# Altium PCB Tra_doantotnghiep.PcbDoc
Units mm, origin at the board's own origin, x right, y up, seen from the top; angles counter-clockwise.
Board outline 91.44 x 60.07 mm, 2 copper layers (Top Layer, Bottom Layer); 17 components, 17 nets, 105 pads, 8 vias.
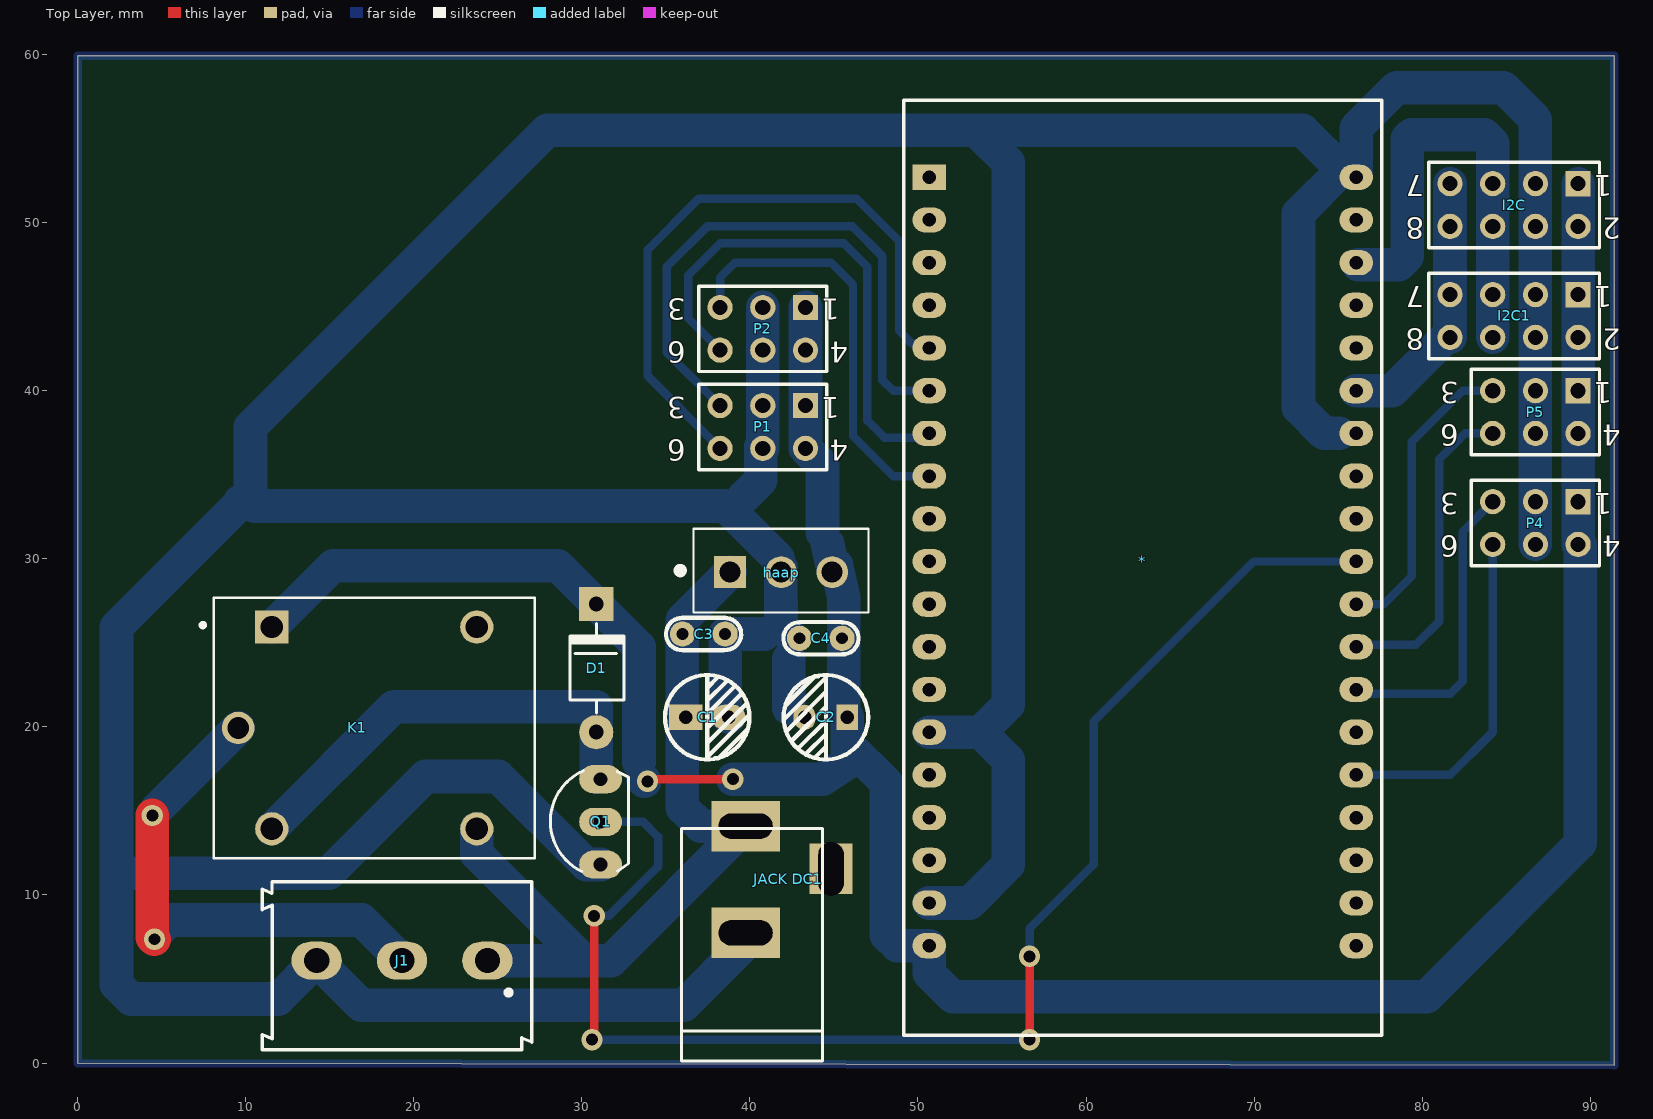
[diagram p0: Top Layer view]
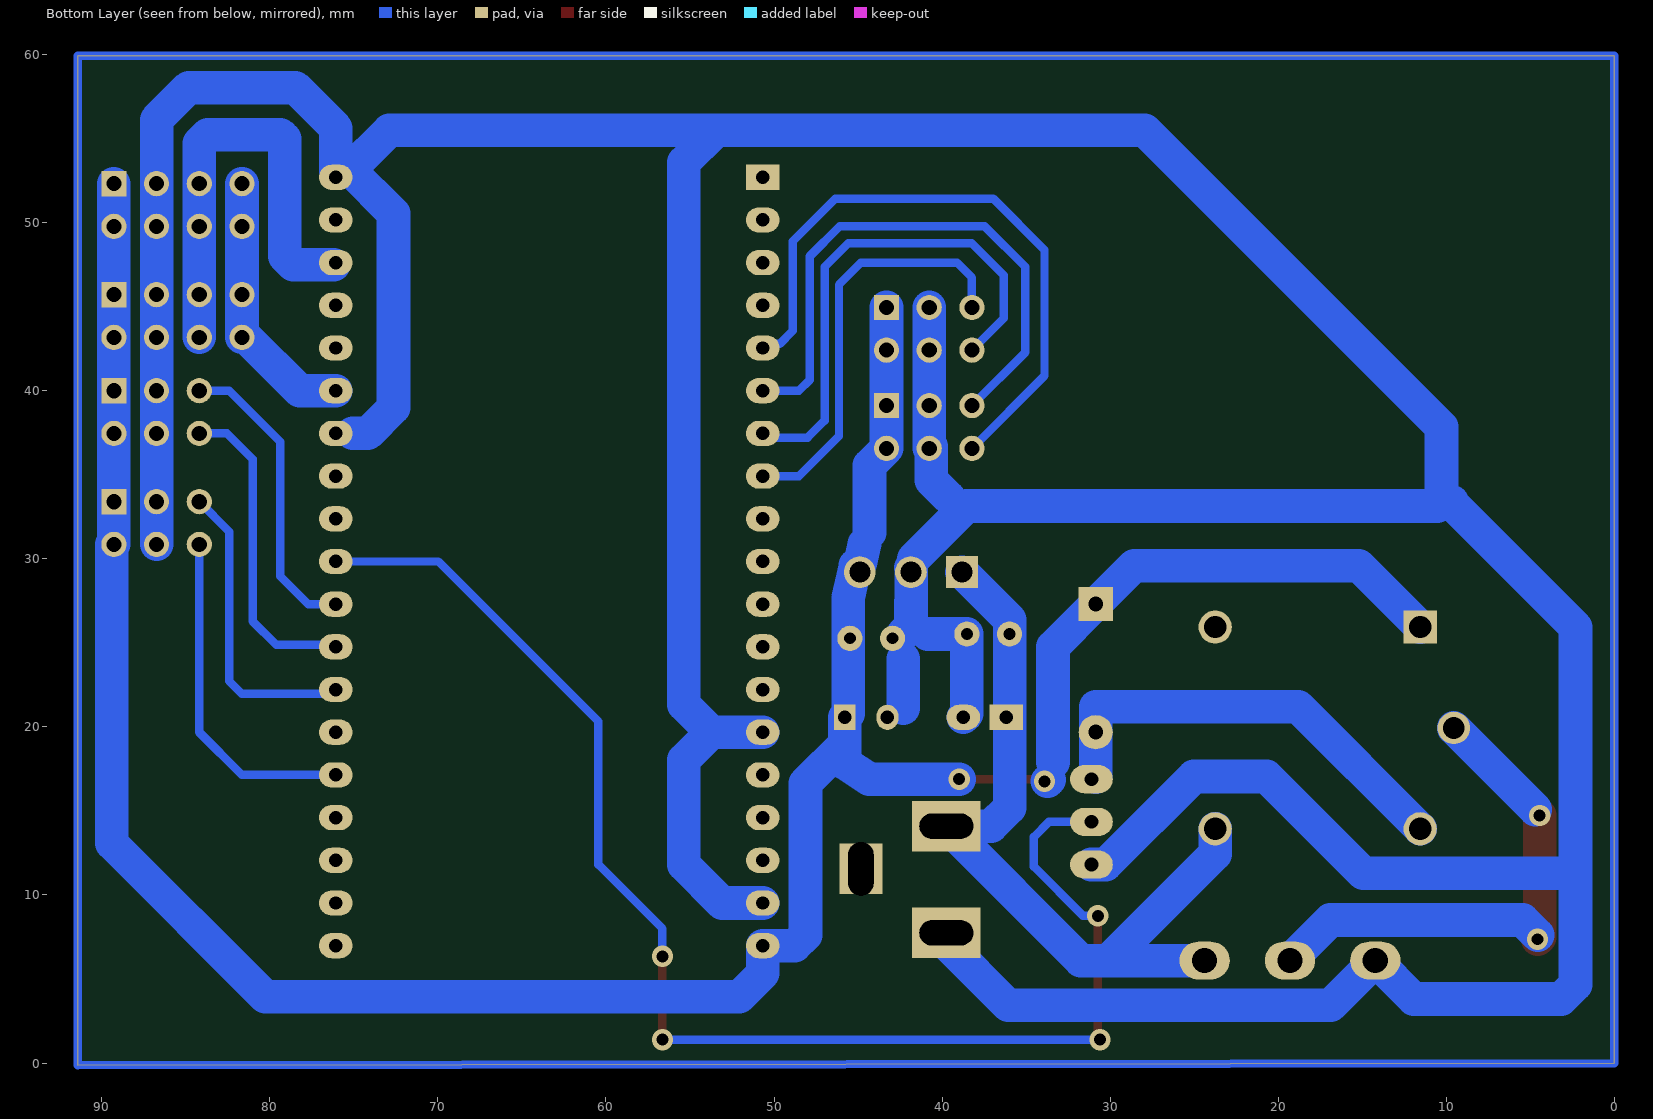
[diagram p1: Bottom Layer view, seen from below]
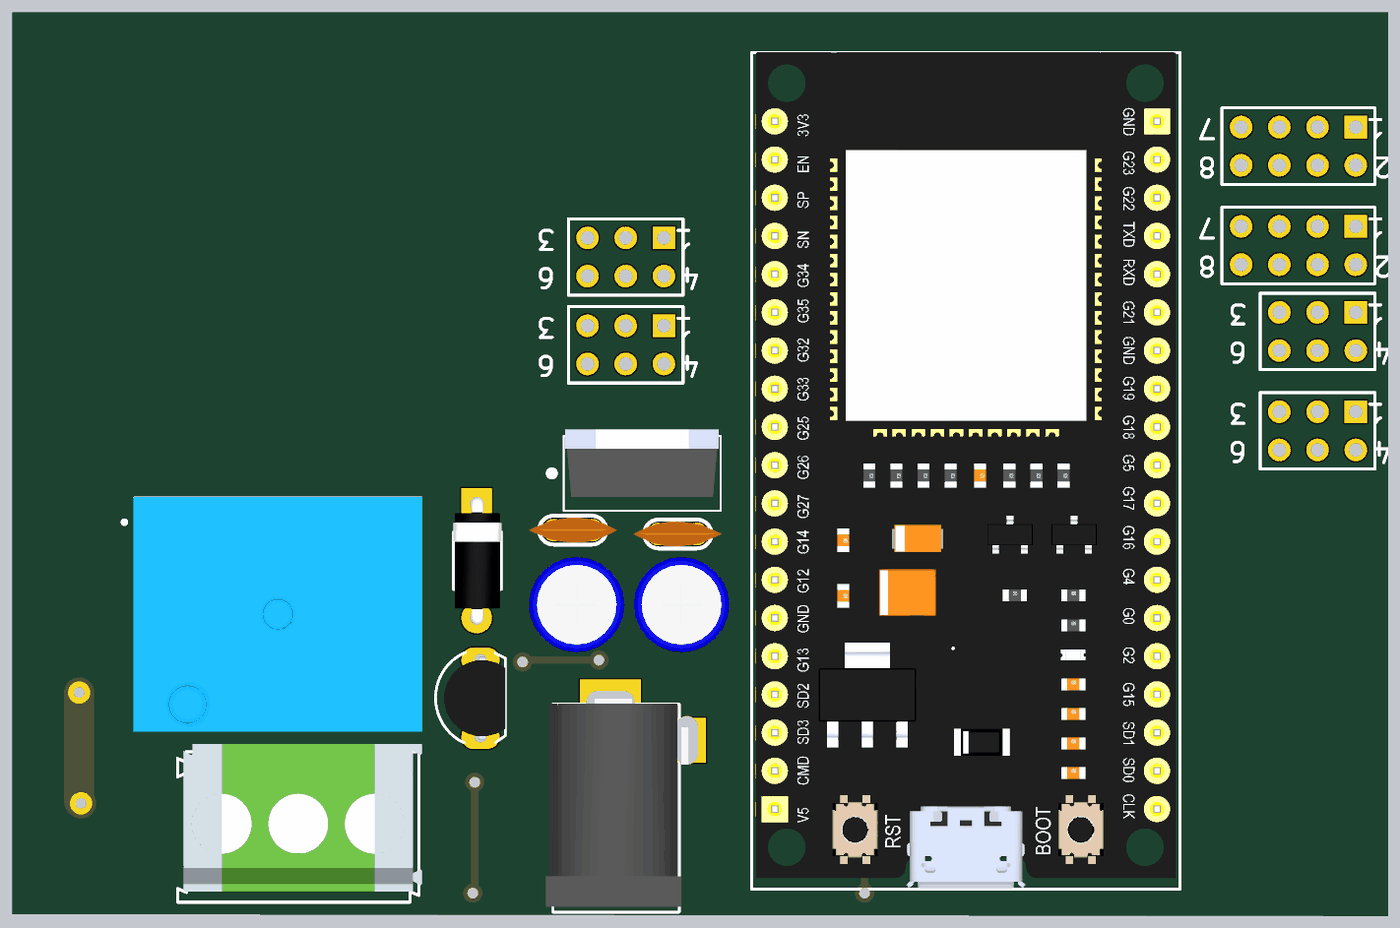
[diagram p2: 3D render of the assembled board from above, using the file's embedded part models]

## Layer stack, top to bottom
Top Solder: solder mask 0.0102, Solder Resist, Dk 3.5
Top Layer: signal copper 0.0356
Dielectric 1: dielectric 0.32, FR-4, Dk 4.8
Bottom Layer: signal copper 0.0356
Bottom Solder: solder mask 0.0102, Solder Resist, Dk 3.5

## Board outline
0,0 0,59.944 91.44,59.944 91.44,-0.127

## Design rules (kind name [scope] priority, off if disabled: settings)
Clearance [All] p1: gap=0.254
PolygonConnect [All] p1: connectstyle=Relief reliefconductorwidth=0.254 reliefentries=4 polygonreliefangle="90 Angle" airgapwidth=0.254
RoutingVias [All] p1: holewidth=0.711 width=1.27 viastyle="Through Hole" minholewidth=0.711 minwidth=1.27 maxholewidth=0.711 maxwidth=1.27
SolderMaskExpansion [All] p1: expansion=0.102
Width [All] p1: maxlimit=3 minlimit=0.254 preferedwidth=2 minimp=50.000000 maximp=50.000000 favimp=50.000000
30 further rules are at their usual default settings.

## Components (designator, comment, footprint, x,y, rotation, side; value= is the part's Value field where it differs from the comment)
* "ESP32 DEV KIT" "ESP32 DEVKIT" 50.673,52.705 r0 top
C1 "47uF" "tu hoa 5mm"#1 37.465,20.574 r0 top
C2 "22u" "tu hoa 5mm"#2 44.524,20.574 r180 top
C3 "104" "tu gom" 37.258,25.527 r0 top
C4 "102" "tu gom" 44.218,25.273 r180 top
D1 "100v" "DIODE 1A" 30.861,18.415 r270 top
haap "7805CV" TO-220-3 41.855,29.305 r0 top
I2C "Header 4X2" HDR2X4 89.281,52.324 r180 top
I2C1 "Header 4X2" HDR2X4 89.281,45.72 r180 top
J1 "691216510003S" 691216510003S 19.304,6.096 r180 top
"JACK DC1" "JACK DC 5.5" "JACK DC 5.5" 42.291,10.922 r90 top
K1 "SRD-05VDC-SL-C" RELAY_SRD-05VDC-SL-C 17.653,19.939 r0 top
P1 "Header 3X2A" HDR2X3_CEN 43.307,39.116 r180 top
P2 "Header 3X2A" HDR2X3_CEN 43.307,44.958 r180 top
P4 "Header 3X2A" HDR2X3_CEN 89.281,33.401 r180 top
P5 "Header 3X2A" HDR2X3_CEN 89.281,40.005 r180 top
Q1 "2N22" TO92 31.115,14.351 r90 top

## Footprints (in the part's own frame and the unit in brackets; to place one, negate y for a bottom-side part, rotate by r counter-clockwise, add the part's x,y. Pads: shape width x height; smd on the part's side, far side on the other; paste and mask are expansions set on the pad)
691216510003S [mm]
  oval 3x2.25 hole 1.5: 1(-5.08,0) 2(0,0) 3(5.08,0)
  silkscreen extent -7.72,-4.7 8.32,5.3, body extent -7.92,-5.21 7.92,4.59, height 13.8
"DIODE 1A" [mil] "Diode 1A"
  round 80 hole 35: 1(-50,0)
  rect 80x80 hole 35: 2(-350,0)
  silkscreen extent -305,-61 -95,65, body extent -366,-61 -34,65, height 122
"ESP32 DEVKIT" [mm]
  rect 2x1.5 hole 0.8: 1(0,0)
  oval 2x1.5 hole 0.8: 2(0,-2.54) 3(0,-5.08) 4(0,-7.62) 5(0,-10.16) 6(0,-12.7) 7(0,-15.24) 8(0,-17.78) 9(0,-20.32) 10(0,-22.86) 11(0,-25.4) 12(0,-27.94) 13(0,-30.48) 14(0,-33.02) 15(0,-35.56) 16(0,-38.1) 17(0,-40.64) 18(0,-43.18) 19(0,-45.72) 20(25.4,-45.72) 21(25.4,-43.18) 22(25.4,-40.64) 23(25.4,-38.1) 24(25.4,-35.56) 25(25.4,-33.02) 26(25.4,-30.48) 27(25.4,-27.94) 28(25.4,-25.4) 29(25.4,-22.86) 30(25.4,-20.32) 31(25.4,-17.78) 32(25.4,-15.24) 33(25.4,-12.7) 34(25.4,-10.16) 35(25.4,-7.62) 36(25.4,-5.08) 37(25.4,-2.54) 38(25.4,0)
  silkscreen extent -1.52,-51.05 26.92,4.57, body extent -1.27,-50.99 26.67,4.59, height 9.68
HDR2X3_CEN [mm] "Connector; Header; 3x2 Position"
  rect 1.5x1.5 hole 0.9: 1(0,0)
  round 1.5 hole 0.9: 2(2.54,0) 3(5.08,0) 4(0,2.54) 5(2.54,2.54) 6(5.08,2.54)
  silkscreen extent -1.27,-1.27 6.35,3.81
HDR2X4 [mm] "Connector; Header; 4x2 Position"
  rect 1.5x1.5 hole 0.9: 1(0,0)
  round 1.5 hole 0.9: 2(0,2.54) 3(2.54,0) 4(2.54,2.54) 5(5.08,0) 6(5.08,2.54) 7(7.62,0) 8(7.62,2.54)
  silkscreen extent -1.27,-1.27 8.89,3.81
"JACK DC 5.5" [mm] "Jac DC input"
  rect 3x4.064 hole 1.5 slot 3.2 at 90 deg: 1(3.175,2.54) 2(-3.175,2.54)
  rect 3x2.54 hole 1.5 slot 3.2 at 0 deg: 3(0.635,-2.54)
  silkscreen extent -10.79,-2.03 3.05,6.35, body extent -10.42,-2.67 3.4,6.84, height 11.02
RELAY_SRD-05VDC-SL-C [mm]
  rect 1.98x1.98 / inner round 1.98 / far side rect 1.98x1.98 hole 1.32: A1(-6.1,6)
  round 1.98 hole 1.32: A2(-6.1,-6) NC(6.1,6) NO(6.1,-6)
  round 1.935 hole 1.29: COM(-8.1,0)
  silkscreen extent -10.3,-7.75 9.55,7.75, body extent -9.6,-7.8 9.6,7.8, height 15.8
TO92 [mil] "TO-92"
  oval 66x100 hole 32: 1(-100,0) 2(0,0) 3(100,0)
  silkscreen extent -117,-65 120,118, body extent -109,-66 109,95, height 245
TO-220-3 [mm]
  rect 1.89x1.89 / inner round 1.89 / far side rect 1.89x1.89 hole 1.26: 1(-3.04,-0.095)
  round 1.89 hole 1.26: 2(0,-0.095) 3(3.04,-0.095)
  silkscreen extent -6.2,-2.49 5.21,2.49, body extent -5.1,-1.58 5.1,2.92, height 19.22
"tu gom" [mm] "Tu gom mini"
  round 1.5 hole 0.7: 1(-1.27,0) 2(1.27,0)
  silkscreen extent -2.25,-0.97 2.22,0.97, body extent -2.92,-0.85 2.92,0.85, height 6.12
"tu hoa 5mm"#1 [mm]
  rect 2x1.5 hole 0.8: 1(-1.27,0)
  oval 2x1.5 hole 0.8: 2(1.27,0)
  silkscreen extent -2.51,-2.51 2.51,2.51, body extent -3.12,-3.18 3.23,3.18, height 14.55
"tu hoa 5mm"#2 [mm]
  rect 1.3x1.5 hole 0.8: 1(-1.27,0)
  oval 1.3x1.5 hole 0.8: 2(1.27,0)
  silkscreen extent -2.51,-2.51 2.51,2.51, body extent -3.12,-3.18 3.23,3.18, height 14.55

## Part data
C1 C2: library part "Tu Hoa 47uF 16V 5x10", "C?m"
C3: library part "Tu gom 104 50V", "C?m"
C4: library part "Tu gom 102 50V", "C?m"
D1: library part "Diode 1N4007", "C?m"
I2C I2C1: "Header, 4-Pin, Dual row"
J1: "5.08 MM TERMINAL BLOCK;"
K1: "5V Trigger Relay Module For Arduino And Raspberry Pi 5V Trigger Relay Module For Arduino And Raspberry Pi"
P1 P2 P4 P5: "Header, 3-Pin, Dual row"
Q1: library part "Trans 2N3904", "NPN transistor EBC"

## Via types
v1: diameter 1.27, hole 0.711, Top Layer to Bottom Layer, tented both sides, 6 vias
v2: diameter 1.27, hole 0.711, Top Layer to Bottom Layer, 2 vias

## Nets (pads, with @x,y where several pads share a name; then routed paths per layer and width w, separated by ;. In a path a pad name is that pad's centre, name@x,y a point inside that pad or via, vN(x,y) a via of type N, cw(c..) or ccw(c..) an arc to the next point about the centre after c; other vN are vias at no path point)
3V3: *.1
5V: *.19 C2.1 C4.1 D1.2 haap.3 I2C1.1 I2C1.2 I2C.1 I2C.2 K1.A1 P1.1 P1.4 P2.1 P2.4 P4.1 P4.4 P5.1 P5.4 | length 170.4
  Top Layer w0.5: v1@34.036,16.891 v1(38.989,16.891)
  Bottom Layer w2: K1.A1 15.205,29.591 28.575,29.591 D1.2 33.401,24.765 33.401,17.907 ; v1@33.639,16.859 v1@33.734,16.764 ; v1(38.989,16.891) 44.323,16.891 45.793,17.853 45.793,18.697 ; P2.1 P2.4 P1.1 P1.4 44.323,35.56 44.323,31.569 ; 44.617,30.885 44.851,29.815 45.157,29.619 45.231,29.284 45.593,27.623 45.593,20.775 C2.1 45.794,18.997 48.133,16.658 48.133,7.62 48.768,6.985 *.19 50.673,5.334 52.07,3.937 80.264,3.937 89.408,13.081 P4.4@89.408,30.861 ; P4.4 P4.1 P5.4 P5.1 I2C1.2 I2C1.1 I2C.2 I2C.1
  other v1: 33.909,16.764
12V: "JACK DC1.1" C1.1 C3.1 haap.1 J1.1 K1.NO | length 48.6
  Bottom Layer w2: K1.NO 23.753,12.442 30.099,6.096 ; J1.1 30.099,6.096 ; haap.1 35.988,26.383 C3.1 35.988,15.193 37.084,14.097 39.751,14.097 31.75,6.096 30.099,6.096
COM: J1.2 K1.COM | length 30.4
  Top Layer w2: v2(4.445,14.732) 4.445,7.493 v2(4.572,7.366)
  Bottom Layer w2: v2@4.572,7.62 5.461,8.509 16.891,8.509 J1.2 ; v2@4.699,15.113 4.699,15.085 K1.COM
G2: *.24 P4.6 | length 20.4
  Bottom Layer w0.5: *.24 81.661,17.145 84.201,19.685 P4.6
G4: *.26 P4.3 | length 18.2
  Bottom Layer w0.5: *.26 76.327,21.971 81.661,21.971 82.423,22.733 82.423,31.623 P4.3
G5: *.29 Q1.2 | length 84.1
  Top Layer w0.5: v1(30.607,1.397) 30.734,1.524 v1(30.734,8.763) ; v1(56.642,1.397) v1(56.642,6.35)
  Bottom Layer w0.5: v1(30.607,1.397) v1(56.642,1.397) ; v1(30.734,8.763) 31.623,8.763 34.544,11.684 34.544,13.462 33.655,14.351 Q1.2 ; v1(56.642,6.35) 56.642,8.001 60.452,11.811 60.452,20.32 69.977,29.845 *.29
G16: *.27 P5.6 | length 19
  Bottom Layer w0.5: *.27 76.2,24.892 79.629,24.892 81.026,26.289 81.026,35.941 82.55,37.465 P5.6
G17: *.28 P5.3 | length 18.1
  Bottom Layer w0.5: *.28 77.724,27.305 79.375,28.956 79.375,36.957 82.423,40.005 P5.3
G32: *.7 P2.6 | length 31.2
  Bottom Layer w0.5: P2.6 36.322,44.323 36.322,46.863 38.227,48.768 45.593,48.768 46.99,47.371 46.99,38.227 48.006,37.211 50.419,37.211 *.7 *.7@50.292,37.846
G33: *.8 P2.3 | length 25.1
  Bottom Layer w0.5: P2.3 38.227,46.736 39.116,47.625 44.831,47.625 46.137,46.319 46.137,37.302 48.514,34.925 *.8
G34: *.5 P1.6 | length 38.4
  Bottom Layer w0.5: P1.6 33.909,40.894 33.909,48.387 36.957,51.435 46.355,51.435 48.895,48.895 48.895,43.561 49.657,42.799 50.419,42.799 *.5
G35: *.6 P1.3 | length 34.6
  Bottom Layer w0.5: P1.3 35.052,42.291 35.052,47.371 37.465,49.784 46.101,49.784 47.879,48.006 47.879,40.64 48.514,40.005 *.6
GND: "JACK DC1.2" *.14 *.18 *.32 *.38 C1.2 C2.2 C3.2 C4.2 haap.2 I2C1.3 I2C1.4 I2C.3 I2C.4 J1.3 P1.2 P1.5 P2.2 P2.5 P4.2 P4.5 P5.2 P5.5 Q1.1 | length 358.2
  Bottom Layer w2: 2.667,11.303 14.954,11.303 20.701,17.05 25.025,17.05 30.264,11.811 Q1.1 ; 9.652,33.401 9.779,33.401 ; C1.2 38.528,20.781 C3.2 40.863,25.527 ; 39.624,33.655 40.64,34.671 P1.5@40.64,36.703 ; 39.751,7.747 39.751,7.112 36.068,3.429 16.891,3.429 J1.3 11.938,3.81 3.175,3.81 2.318,4.667 2.318,25.94 9.779,33.401 ; P1.5 P1.2 P2.5 P2.2 ; haap.2@41.693,29.996 38.542,33.147 10.541,33.147 10.287,33.401 ; haap.2@41.855,29.464 41.846,29.211 41.846,29.206 41.855,26.013 C4.2@42.323,25.545 ; 42.323,21.11 42.323,24.068 ; *.18 53.086,9.525 55.372,11.811 55.372,18.034 53.721,19.685 ; *.14 53.721,19.685 ; 75.057,37.465 74.168,37.465 72.644,38.989 72.644,50.546 *.38@75.247,53.15 ; P4.5 P4.2 P5.5 P5.2 I2C1.4 I2C1.3 I2C.4 I2C.3 86.741,56.134 84.836,58.039 78.486,58.039 76.073,55.626 76.073,53.086 75.311,53.086 72.898,55.499 53.467,55.499 ; 9.779,33.401 10.287,33.401 ; 10.287,33.401 10.287,37.846 27.94,55.499 53.467,55.499 ; 53.467,55.499 55.372,53.594 55.372,21.336 53.721,19.685
NetD1_1: D1.1 K1.A2 Q1.3 | length 26.3
  Bottom Layer w2: K1.A2 18.823,21.209 30.861,21.209 D1.1 ; Q1.3@30.861,17.018 D1.1@30.861,19.431
SCL: *.36 I2C1.5 I2C1.6 I2C.5 I2C.6 | length 27.1
  Bottom Layer w2: *.36@76.2,47.498 78.613,47.498 79.121,48.006 79.121,54.991 79.375,55.245 83.693,55.245 84.201,54.737 I2C.5 I2C.6 I2C1.5 I2C1.6
SDA: *.33 I2C1.7 I2C1.8 I2C.7 I2C.8 | length 16
  Bottom Layer w2: *.33 78.232,40.005 81.407,43.18 I2C1.8 I2C1.7 I2C.8 I2C.7
pads on no net: "JACK DC1.3" *.2 *.3 *.4 *.9 *.10 *.11 *.12 *.13 *.15 *.16 *.17 *.20 *.21 *.22 *.23 *.25 *.30 *.31 *.34 *.35 *.37 K1.NC
copper on no net: | length 302.9
  Bottom Layer w0.5: 0,0 91.44,-0.127 91.44,59.944 0,59.944 0,27.654 0,7.025 0,0.628 0,0

## Text inside footprints (layer, text, board x,y; h text height)
I2C: Top Overlay "8" at 80.137,50.292 h1.27 r180; Top Overlay "7" at 80.137,52.832 h1.27 r180; Top Overlay "1" at 91.313,52.832 h1.27 r180; Top Overlay "2" at 91.821,50.292 h1.27 r180
I2C1: Top Overlay "8" at 80.137,43.688 h1.27 r180; Top Overlay "7" at 80.137,46.228 h1.27 r180; Top Overlay "1" at 91.313,46.228 h1.27 r180; Top Overlay "2" at 91.821,43.688 h1.27 r180
P1: Top Overlay "6" at 36.195,37.084 h1.27 r180; Top Overlay "3" at 36.195,39.624 h1.27 r180; Top Overlay "1" at 45.339,39.624 h1.27 r180; Top Overlay "4" at 45.847,37.084 h1.27 r180
P2: Top Overlay "6" at 36.195,42.926 h1.27 r180; Top Overlay "3" at 36.195,45.466 h1.27 r180; Top Overlay "1" at 45.339,45.466 h1.27 r180; Top Overlay "4" at 45.847,42.926 h1.27 r180
P4: Top Overlay "6" at 82.169,31.369 h1.27 r180; Top Overlay "3" at 82.169,33.909 h1.27 r180; Top Overlay "1" at 91.313,33.909 h1.27 r180; Top Overlay "4" at 91.821,31.369 h1.27 r180
P5: Top Overlay "6" at 82.169,37.973 h1.27 r180; Top Overlay "3" at 82.169,40.513 h1.27 r180; Top Overlay "1" at 91.313,40.513 h1.27 r180; Top Overlay "4" at 91.821,37.973 h1.27 r180